# Altium PCB ADAPTONE_CARTE_DE_SON.PcbDoc (part 1 of 2)
Units mil, origin at the board's own origin, x right, y up, seen from the top; angles counter-clockwise.
Board outline 6377.95 x 6377.95 mil, 4 copper layers (Top Layer, GND Plane, Signal Layer 2, Bottom Layer), stack 63.902 mil thick; 583 components, 362 nets, 1734 pads, 554 vias.
Unrouted connection lines stored in the file: 1091.
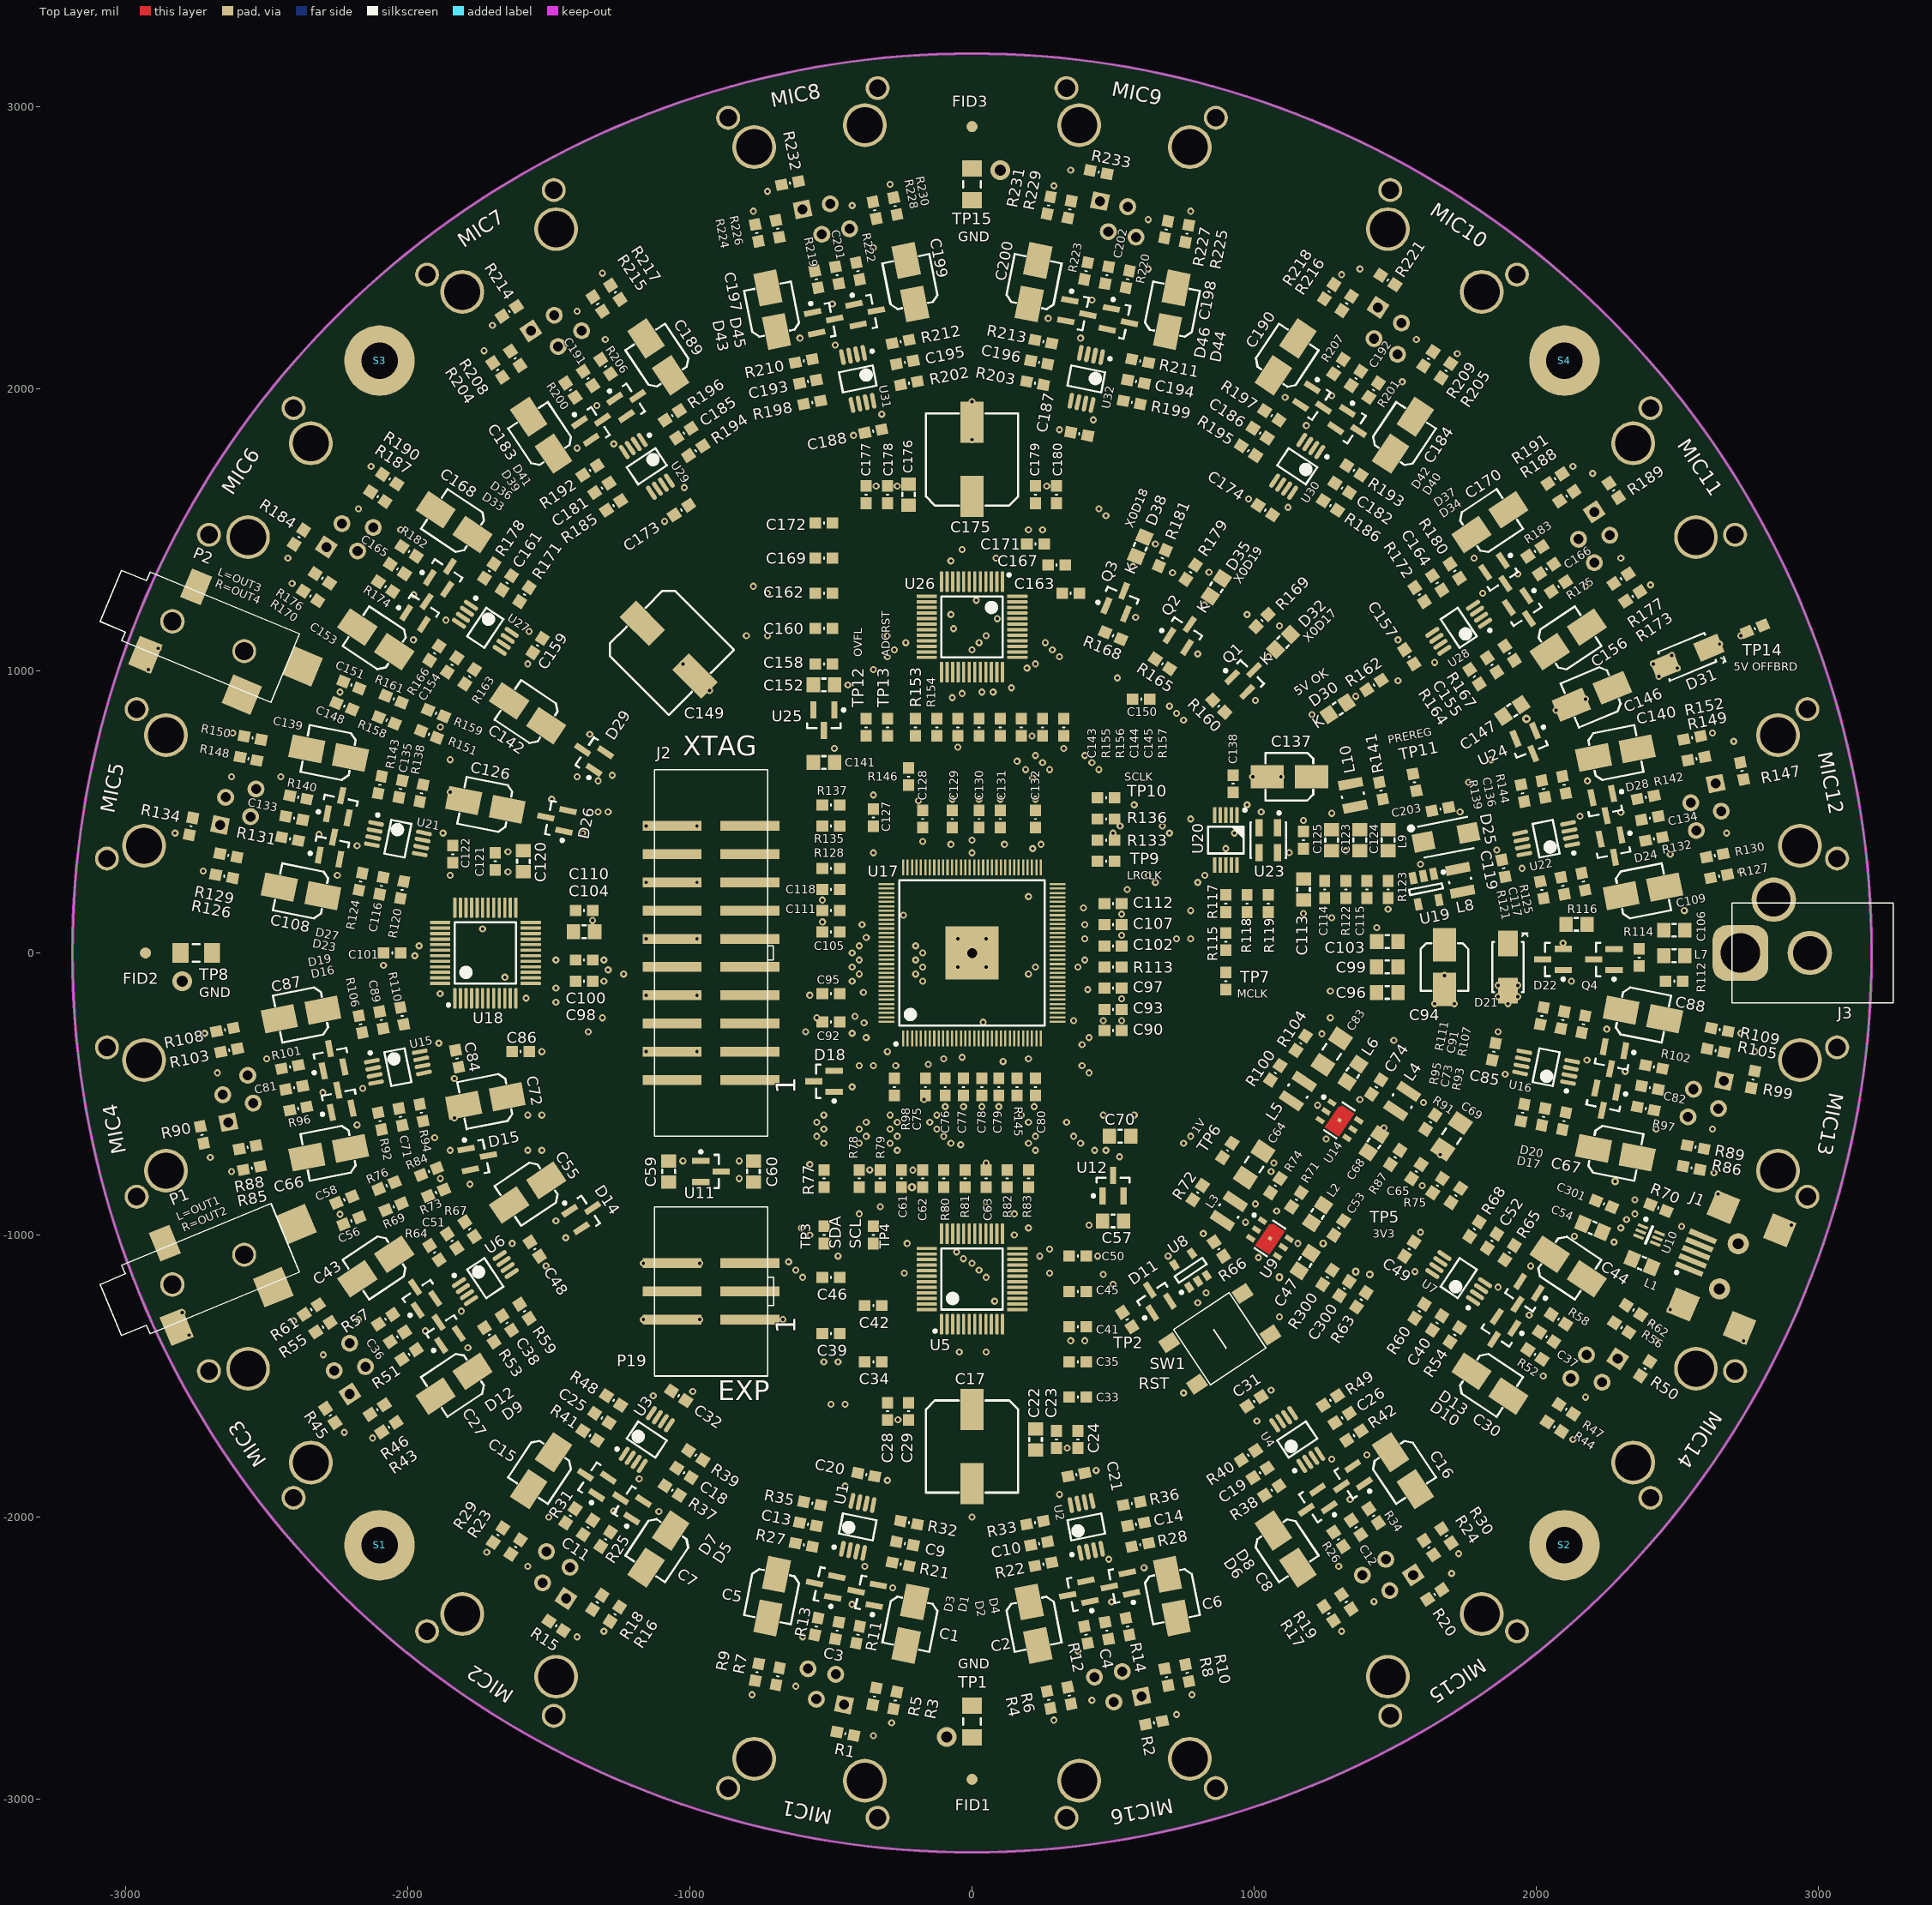
[diagram p0: Top Layer view]
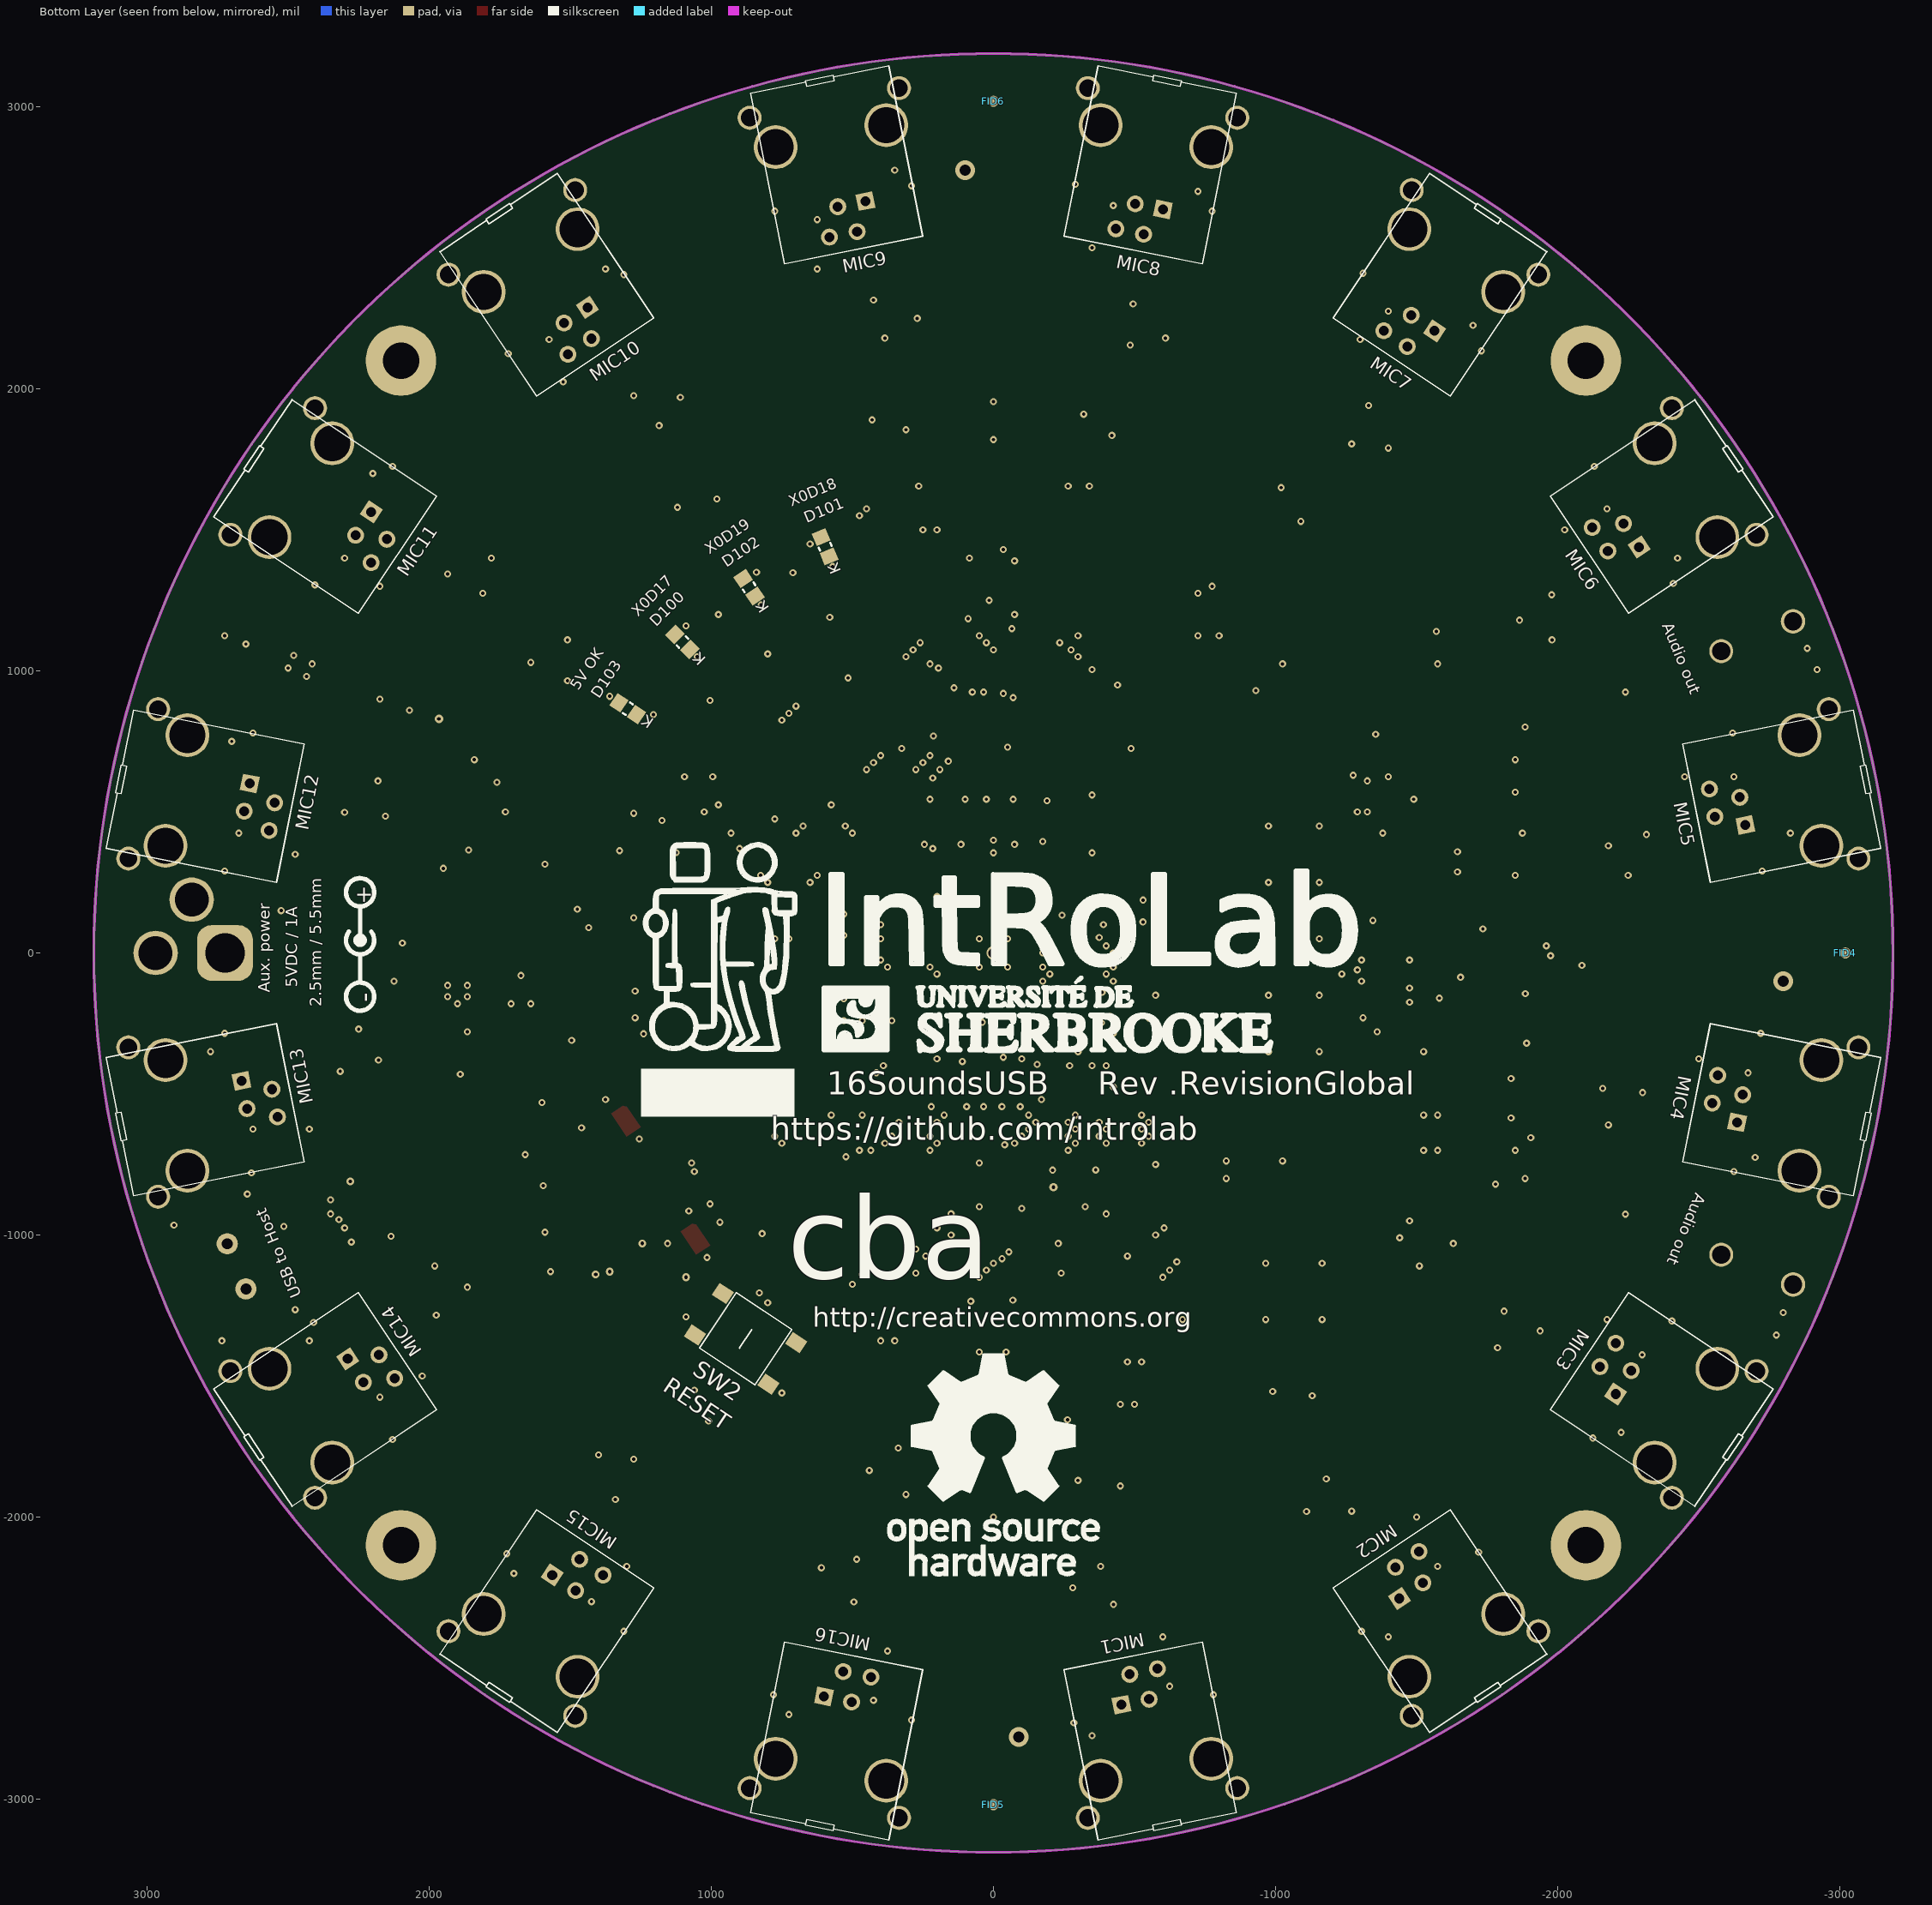
[diagram p1: Bottom Layer view, seen from below]
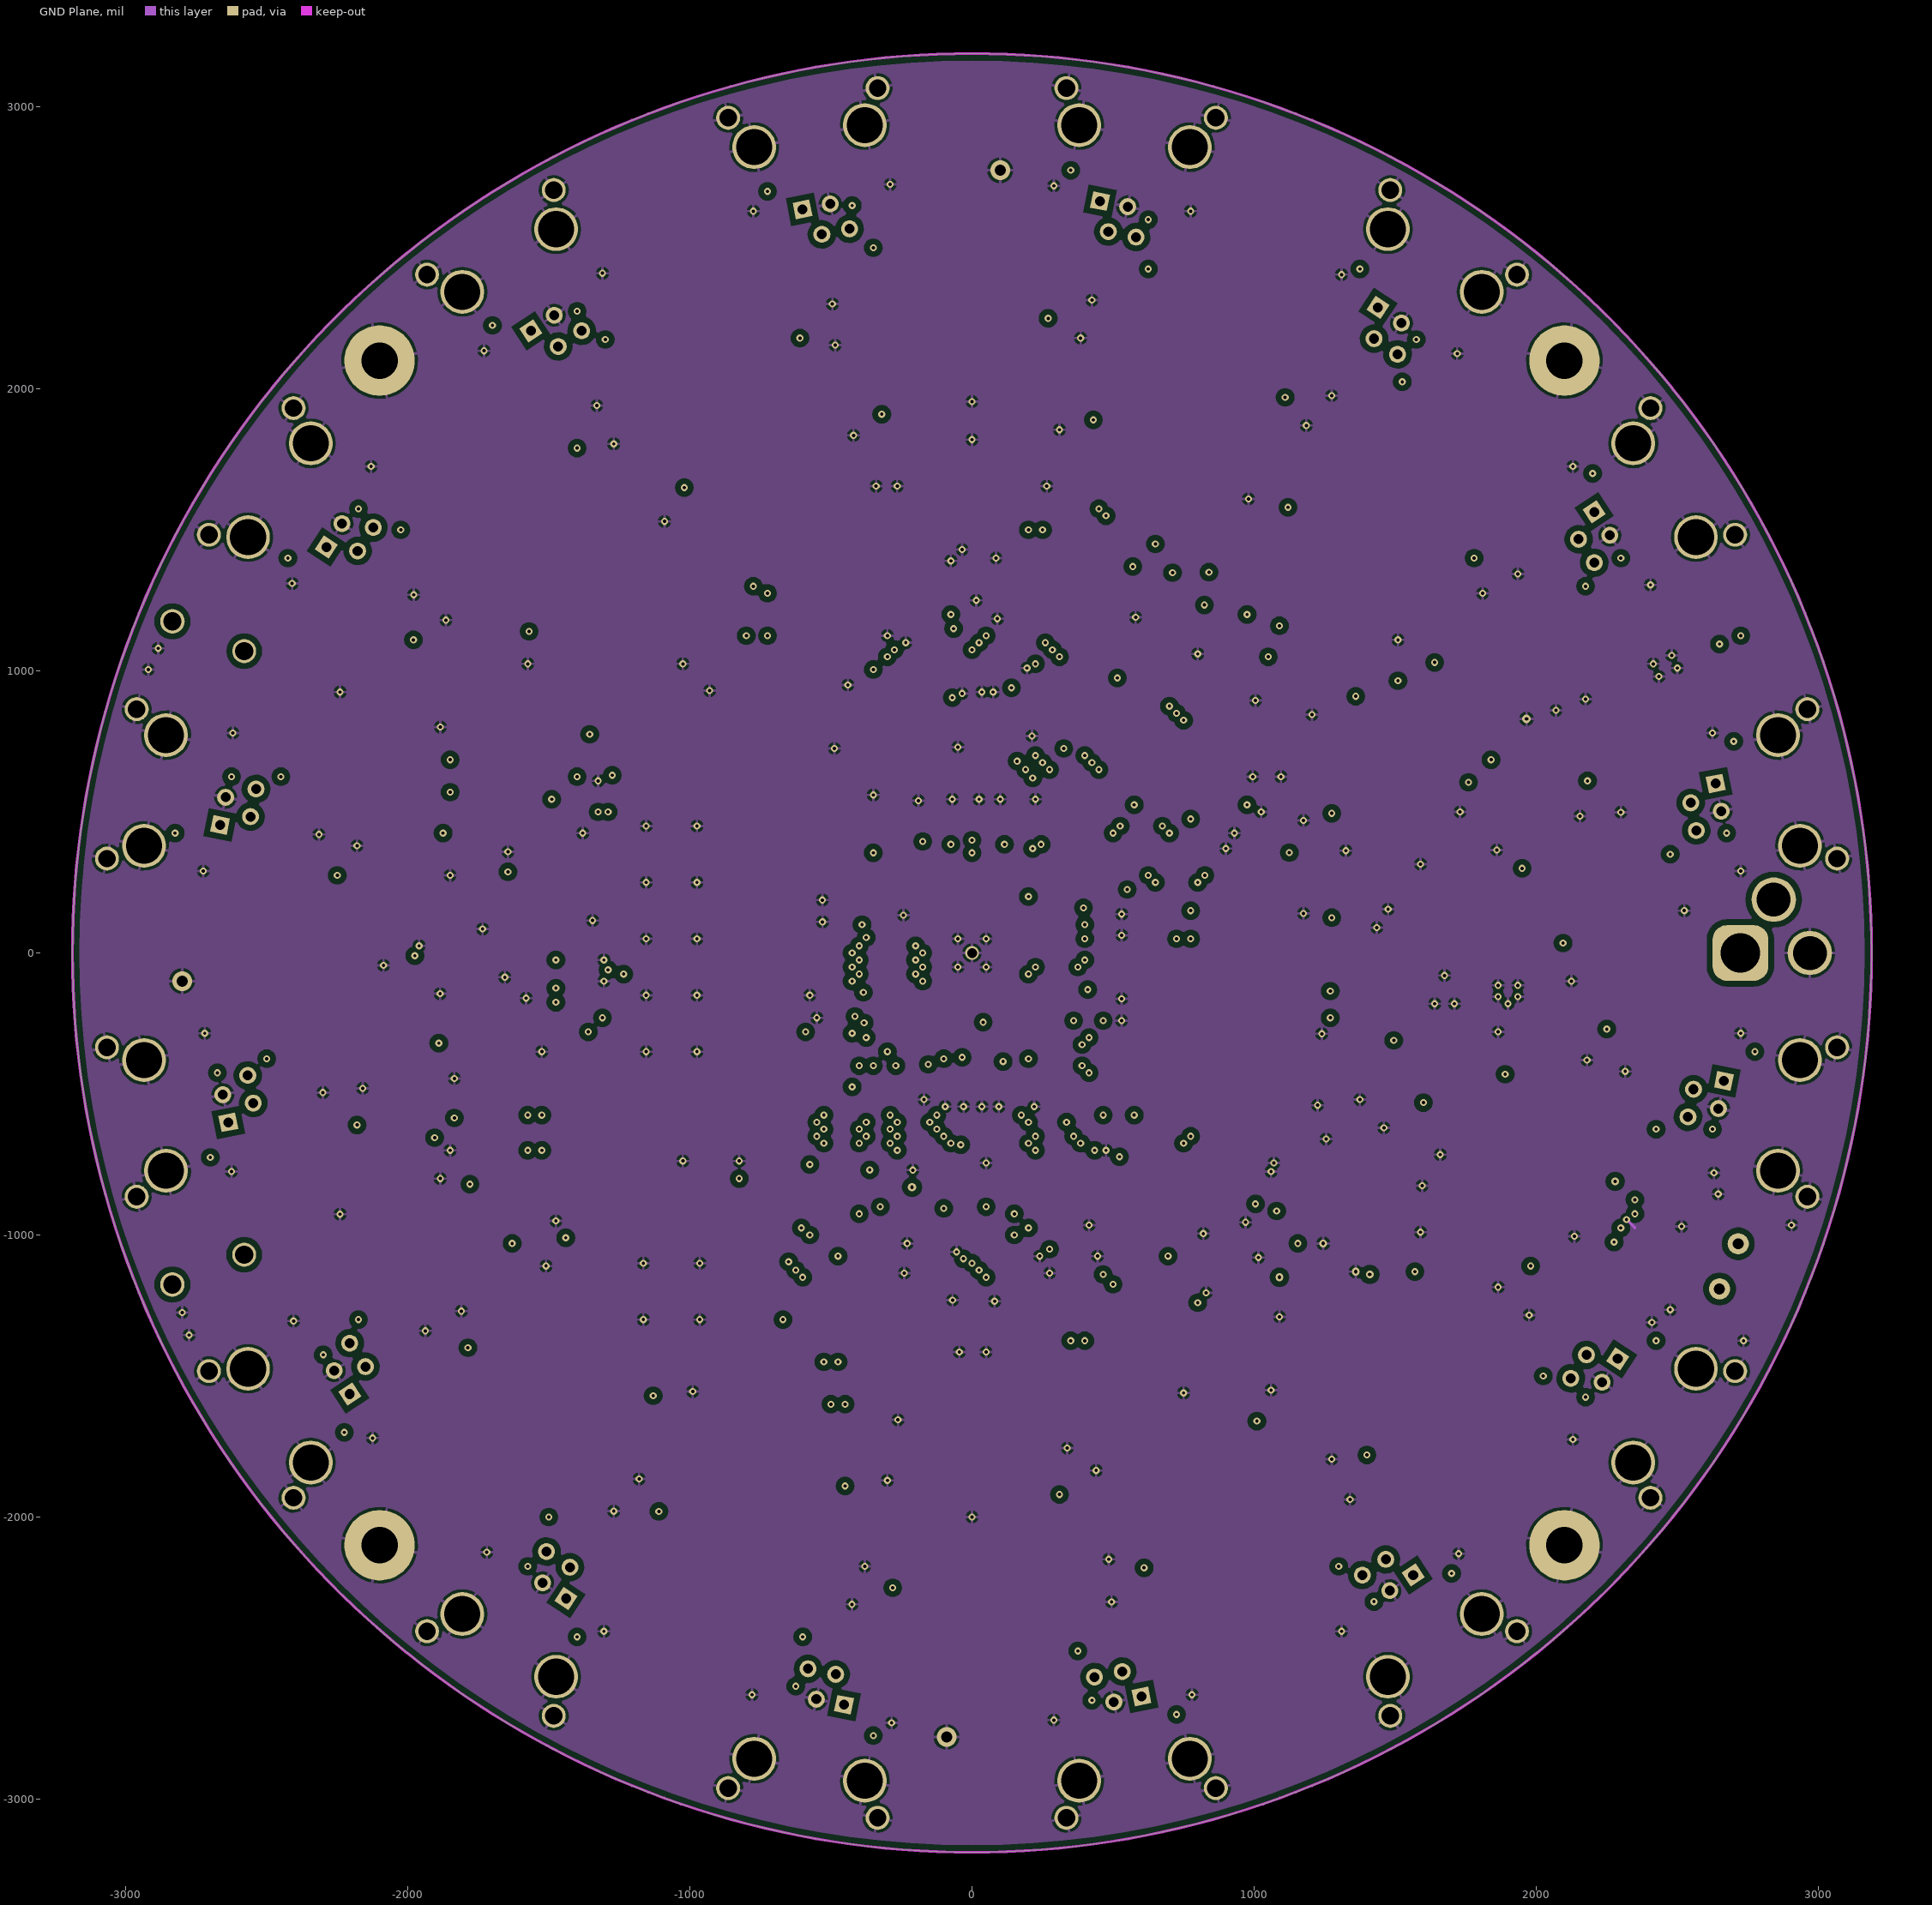
[diagram p2: GND Plane]
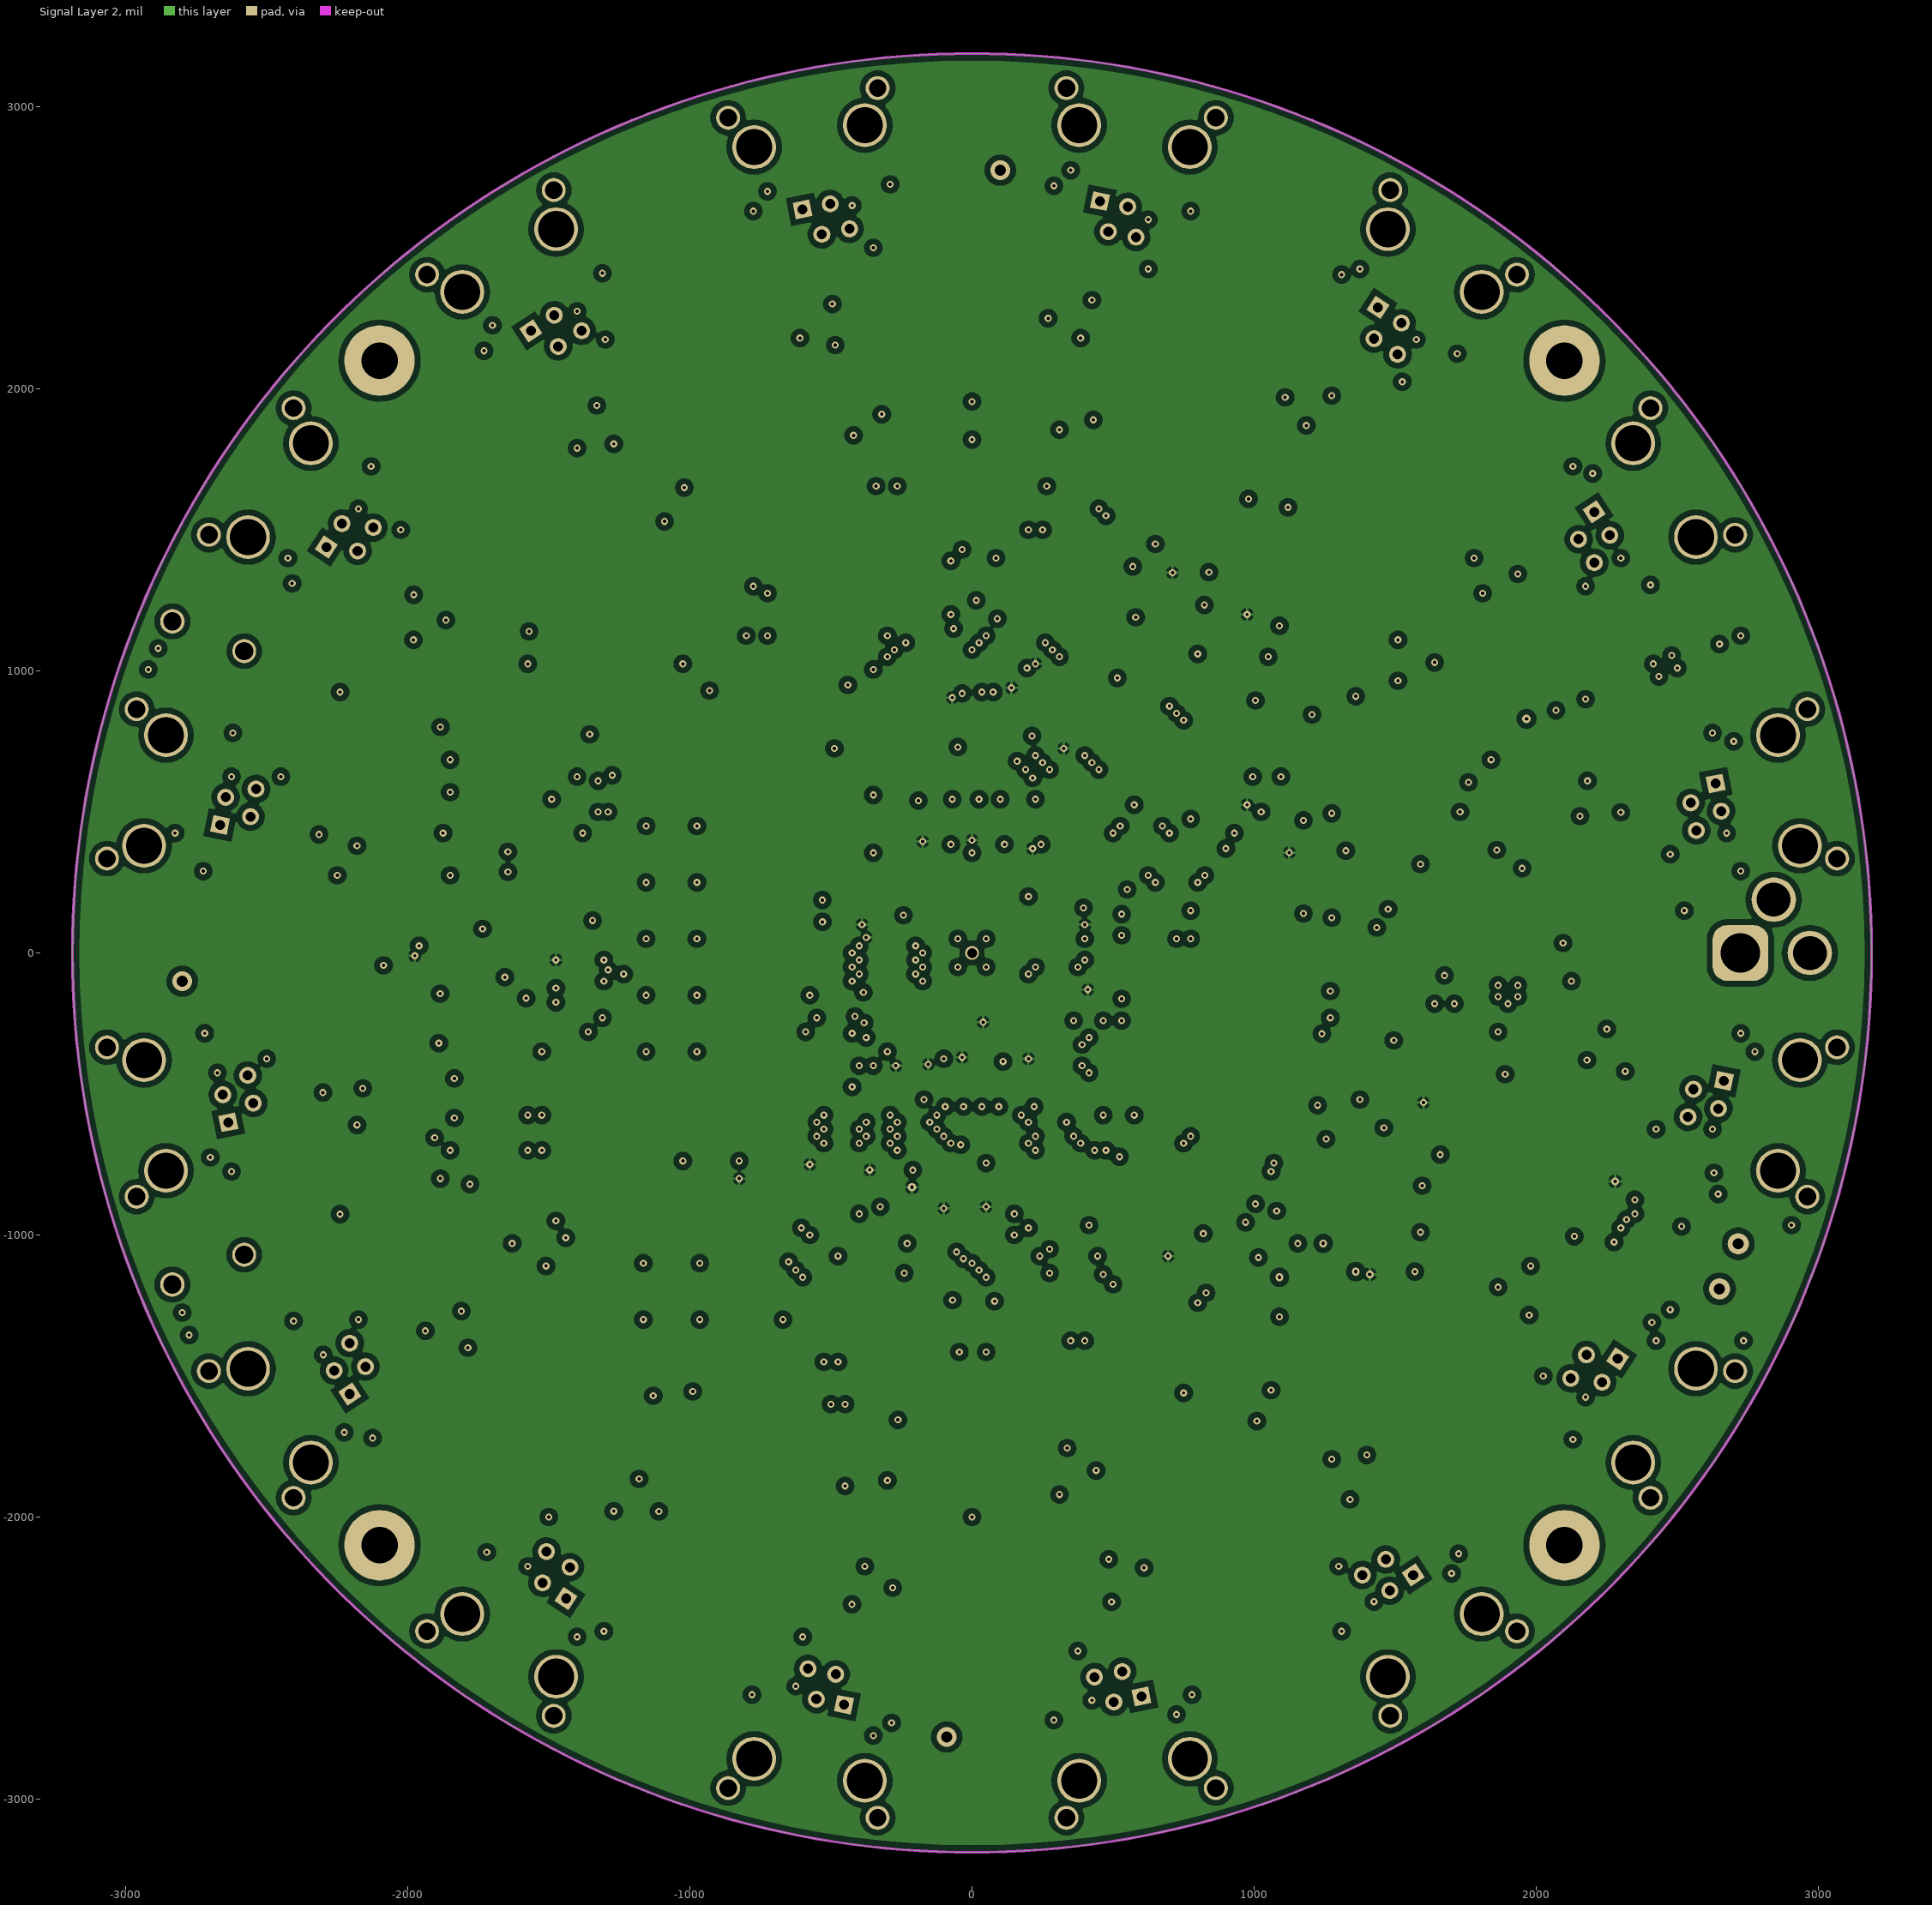
[diagram p3: Signal Layer 2]

## Layer stack, top to bottom
Top Solder: solder mask 0.4, Solder Resist, Dk 3.5
Top Layer: signal copper 1.4
Dielectric 1: core 6.8898, FR-4, Dk 4.2
GND Plane: signal copper 1.4169
Dielectric 3: prepreg 44.4882, Dk 4.2
Signal Layer 2: signal copper 1.4169
Dielectric 2: core 6.8898, Dk 4.2
Bottom Layer: signal copper 1.4
Bottom Solder: solder mask 0.4, Solder Resist, Dk 3.5

## Board outline
0,-3188.98 cw(c0,0) -3188.98,0 cw(c0,0) 0,3188.97 cw(c0,0) 3188.98,0 cw(c0,0)

## Design rules (kind name [scope] priority, off if disabled: settings)
Clearance Clearance_1 [All vs InPoly] p1: gap=20 ignorepadtopadclearanceinfootprint=FALSE except(0: Arc-Hole Track-Hole SMDPad-Hole THPad-Hole Via-Hole Fill-Hole Poly-Hole Region-Hole Text-Hole)
Clearance [All] p2: gap=7 ignorepadtopadclearanceinfootprint=FALSE except(0: Arc-Hole Track-Hole SMDPad-Hole THPad-Hole Via-Hole Fill-Hole Poly-Hole Region-Hole Text-Hole)
DiffPairsRouting [All] p1: maxlimit=25 minlimit=8 mostfreqgap=10 toplayer_minwidth=8 toplayer_maxwidth=15 toplayer_prefwidth=15 midlayer1_mingap=10 midlayer1_maxgap=10 midlayer1_minwidth=15 midlayer1_maxwidth=15 midlayer1_prefwidth=15 midlayer2_mingap=10 midlayer2_maxgap=10 midlayer2_minwidth=15 midlayer2_maxwidth=15 midlayer2_prefwidth=15 bottomlayer_minwidth=8 bottomlayer_maxwidth=15 bottomlayer_prefwidth=15 maxuncoupledlength=500
HoleSize [All] p1: absolutevalues=TRUE maxlimit=200 minlimit=1 maxpercent=80.000 minpercent=20.000
PolygonConnect [All] p1: connectstyle=Relief reliefconductorwidth=10 reliefentries=4 polygonreliefangle="90 Angle" airgapwidth=10
RoomDefinition XMOS_power [InComponentClass('XMOS_power')] p1: confinementstyle=ConfineIn formatcopy=TRUE lockcomponents=FALSE outline -7703.94,-18478.15 -5703.94,-18478.15 -5703.94,-17478.15 -7703.94,-17478.15
RoomDefinition XMOS1 [InComponentClass('XMOS1')] p2: confinementstyle=ConfineIn formatcopy=TRUE lockcomponents=FALSE outline -7703.94,-18478.15 -5703.94,-18478.15 -5703.94,-17478.15 -7703.94,-17478.15
RoomDefinition TopLevel [InComponentClass('TopLevel')] p3: confinementstyle=ConfineIn formatcopy=TRUE lockcomponents=FALSE outline -7703.94,-18478.15 -5703.94,-18478.15 -5703.94,-17478.15 -7703.94,-17478.15
RoomDefinition Power1 [InComponentClass('Power1')] p4: confinementstyle=ConfineIn formatcopy=TRUE lockcomponents=FALSE outline -7703.94,-18478.15 -5703.94,-18478.15 -5703.94,-17478.15 -7703.94,-17478.15
RoomDefinition OutputConnectors [InComponentClass('OutputConnectors')] p5: confinementstyle=ConfineIn formatcopy=TRUE lockcomponents=FALSE outline -7703.94,-18478.15 -5703.94,-18478.15 -5703.94,-17478.15 -7703.94,-17478.15
RoomDefinition Other1 [InComponentClass('Other1')] p6: confinementstyle=ConfineIn formatcopy=TRUE lockcomponents=FALSE outline -7703.94,-18478.15 -5703.94,-18478.15 -5703.94,-17478.15 -7703.94,-17478.15
RoomDefinition InputAmplifier82 [InComponentClass('InputAmplifier82')] p7: confinementstyle=ConfineIn formatcopy=TRUE lockcomponents=FALSE outline -7703.94,-18478.15 -5703.94,-18478.15 -5703.94,-17478.15 -7703.94,-17478.15
RoomDefinition InputAmplifier81 [InComponentClass('InputAmplifier81')] p8: confinementstyle=ConfineIn formatcopy=TRUE lockcomponents=FALSE outline -7703.94,-18478.15 -5703.94,-18478.15 -5703.94,-17478.15 -7703.94,-17478.15
RoomDefinition InputAmplifier72 [InComponentClass('InputAmplifier72')] p9: confinementstyle=ConfineIn formatcopy=TRUE lockcomponents=FALSE outline -7703.94,-18478.15 -5703.94,-18478.15 -5703.94,-17478.15 -7703.94,-17478.15
RoomDefinition InputAmplifier71 [InComponentClass('InputAmplifier71')] p10: confinementstyle=ConfineIn formatcopy=TRUE lockcomponents=FALSE outline -7703.94,-18478.15 -5703.94,-18478.15 -5703.94,-17478.15 -7703.94,-17478.15
RoomDefinition InputAmplifier62 [InComponentClass('InputAmplifier62')] p11: confinementstyle=ConfineIn formatcopy=TRUE lockcomponents=FALSE outline -7703.94,-18478.15 -5703.94,-18478.15 -5703.94,-17478.15 -7703.94,-17478.15
RoomDefinition InputAmplifier61 [InComponentClass('InputAmplifier61')] p12: confinementstyle=ConfineIn formatcopy=TRUE lockcomponents=FALSE outline -7703.94,-18478.15 -5703.94,-18478.15 -5703.94,-17478.15 -7703.94,-17478.15
RoomDefinition InputAmplifier52 [InComponentClass('InputAmplifier52')] p13: confinementstyle=ConfineIn formatcopy=TRUE lockcomponents=FALSE outline -7703.94,-18478.15 -5703.94,-18478.15 -5703.94,-17478.15 -7703.94,-17478.15
RoomDefinition InputAmplifier51 [InComponentClass('InputAmplifier51')] p14: confinementstyle=ConfineIn formatcopy=TRUE lockcomponents=FALSE outline -7703.94,-18478.15 -5703.94,-18478.15 -5703.94,-17478.15 -7703.94,-17478.15
RoomDefinition InputAmplifier42 [InComponentClass('InputAmplifier42')] p15: confinementstyle=ConfineIn formatcopy=TRUE lockcomponents=FALSE outline -7703.94,-18478.15 -5703.94,-18478.15 -5703.94,-17478.15 -7703.94,-17478.15
RoomDefinition InputAmplifier41 [InComponentClass('InputAmplifier41')] p16: confinementstyle=ConfineIn formatcopy=TRUE lockcomponents=FALSE outline -7703.94,-18478.15 -5703.94,-18478.15 -5703.94,-17478.15 -7703.94,-17478.15
RoomDefinition InputAmplifier32 [InComponentClass('InputAmplifier32')] p17: confinementstyle=ConfineIn formatcopy=TRUE lockcomponents=FALSE outline -7703.94,-18478.15 -5703.94,-18478.15 -5703.94,-17478.15 -7703.94,-17478.15
RoomDefinition InputAmplifier31 [InComponentClass('InputAmplifier31')] p18: confinementstyle=ConfineIn formatcopy=TRUE lockcomponents=FALSE outline -7703.94,-18478.15 -5703.94,-18478.15 -5703.94,-17478.15 -7703.94,-17478.15
RoomDefinition InputAmplifier22 [InComponentClass('InputAmplifier22')] p19: confinementstyle=ConfineIn formatcopy=TRUE lockcomponents=FALSE outline -7703.94,-18478.15 -5703.94,-18478.15 -5703.94,-17478.15 -7703.94,-17478.15
RoomDefinition InputAmplifier21 [InComponentClass('InputAmplifier21')] p20: confinementstyle=ConfineIn formatcopy=TRUE lockcomponents=FALSE outline -7703.94,-18478.15 -5703.94,-18478.15 -5703.94,-17478.15 -7703.94,-17478.15
RoomDefinition InputAmplifier12 [InComponentClass('InputAmplifier12')] p21: confinementstyle=ConfineIn formatcopy=TRUE lockcomponents=FALSE outline -7703.94,-18478.15 -5703.94,-18478.15 -5703.94,-17478.15 -7703.94,-17478.15
RoomDefinition InputAmplifier11 [InComponentClass('InputAmplifier11')] p22: confinementstyle=ConfineIn formatcopy=TRUE lockcomponents=FALSE outline -7703.94,-18478.15 -5703.94,-18478.15 -5703.94,-17478.15 -7703.94,-17478.15
RoomDefinition DAC [InComponentClass('DAC')] p23: confinementstyle=ConfineIn formatcopy=TRUE lockcomponents=FALSE outline -7703.94,-18478.15 -5703.94,-18478.15 -5703.94,-17478.15 -7703.94,-17478.15
RoomDefinition Clock1 [InComponentClass('Clock1')] p24: confinementstyle=ConfineIn formatcopy=TRUE lockcomponents=FALSE outline -7703.94,-18478.15 -5703.94,-18478.15 -5703.94,-17478.15 -7703.94,-17478.15
RoomDefinition ADC2 [InComponentClass('ADC2')] p25: confinementstyle=ConfineIn formatcopy=TRUE lockcomponents=FALSE outline -7703.94,-18478.15 -5703.94,-18478.15 -5703.94,-17478.15 -7703.94,-17478.15
RoomDefinition ADC1 [InComponentClass('ADC1')] p26: confinementstyle=ConfineIn formatcopy=TRUE lockcomponents=FALSE outline -7703.94,-18478.15 -5703.94,-18478.15 -5703.94,-17478.15 -7703.94,-17478.15
RoutingVias [All] p1: holewidth=10 width=25 viastyle="Through Hole" minholewidth=10 minwidth=25 maxholewidth=100 maxwidth=25
SolderMaskExpansion [All] p1: expansion=4